# Altium PCB ADAPTONE_PCB_COPY.PcbDoc (part 11 of 11)
Units mil, origin at the board's own origin, x right, y up, seen from the top; angles counter-clockwise.
Board outline 10236.22 x 6701.71 mil, 4 copper layers (Top Layer, GND, Internal Plane 2, Bottom Layer), stack 30.2 mil thick; 1794 components, 935 nets, 4745 pads, 575 vias.
Unrouted connection lines stored in the file: 997.
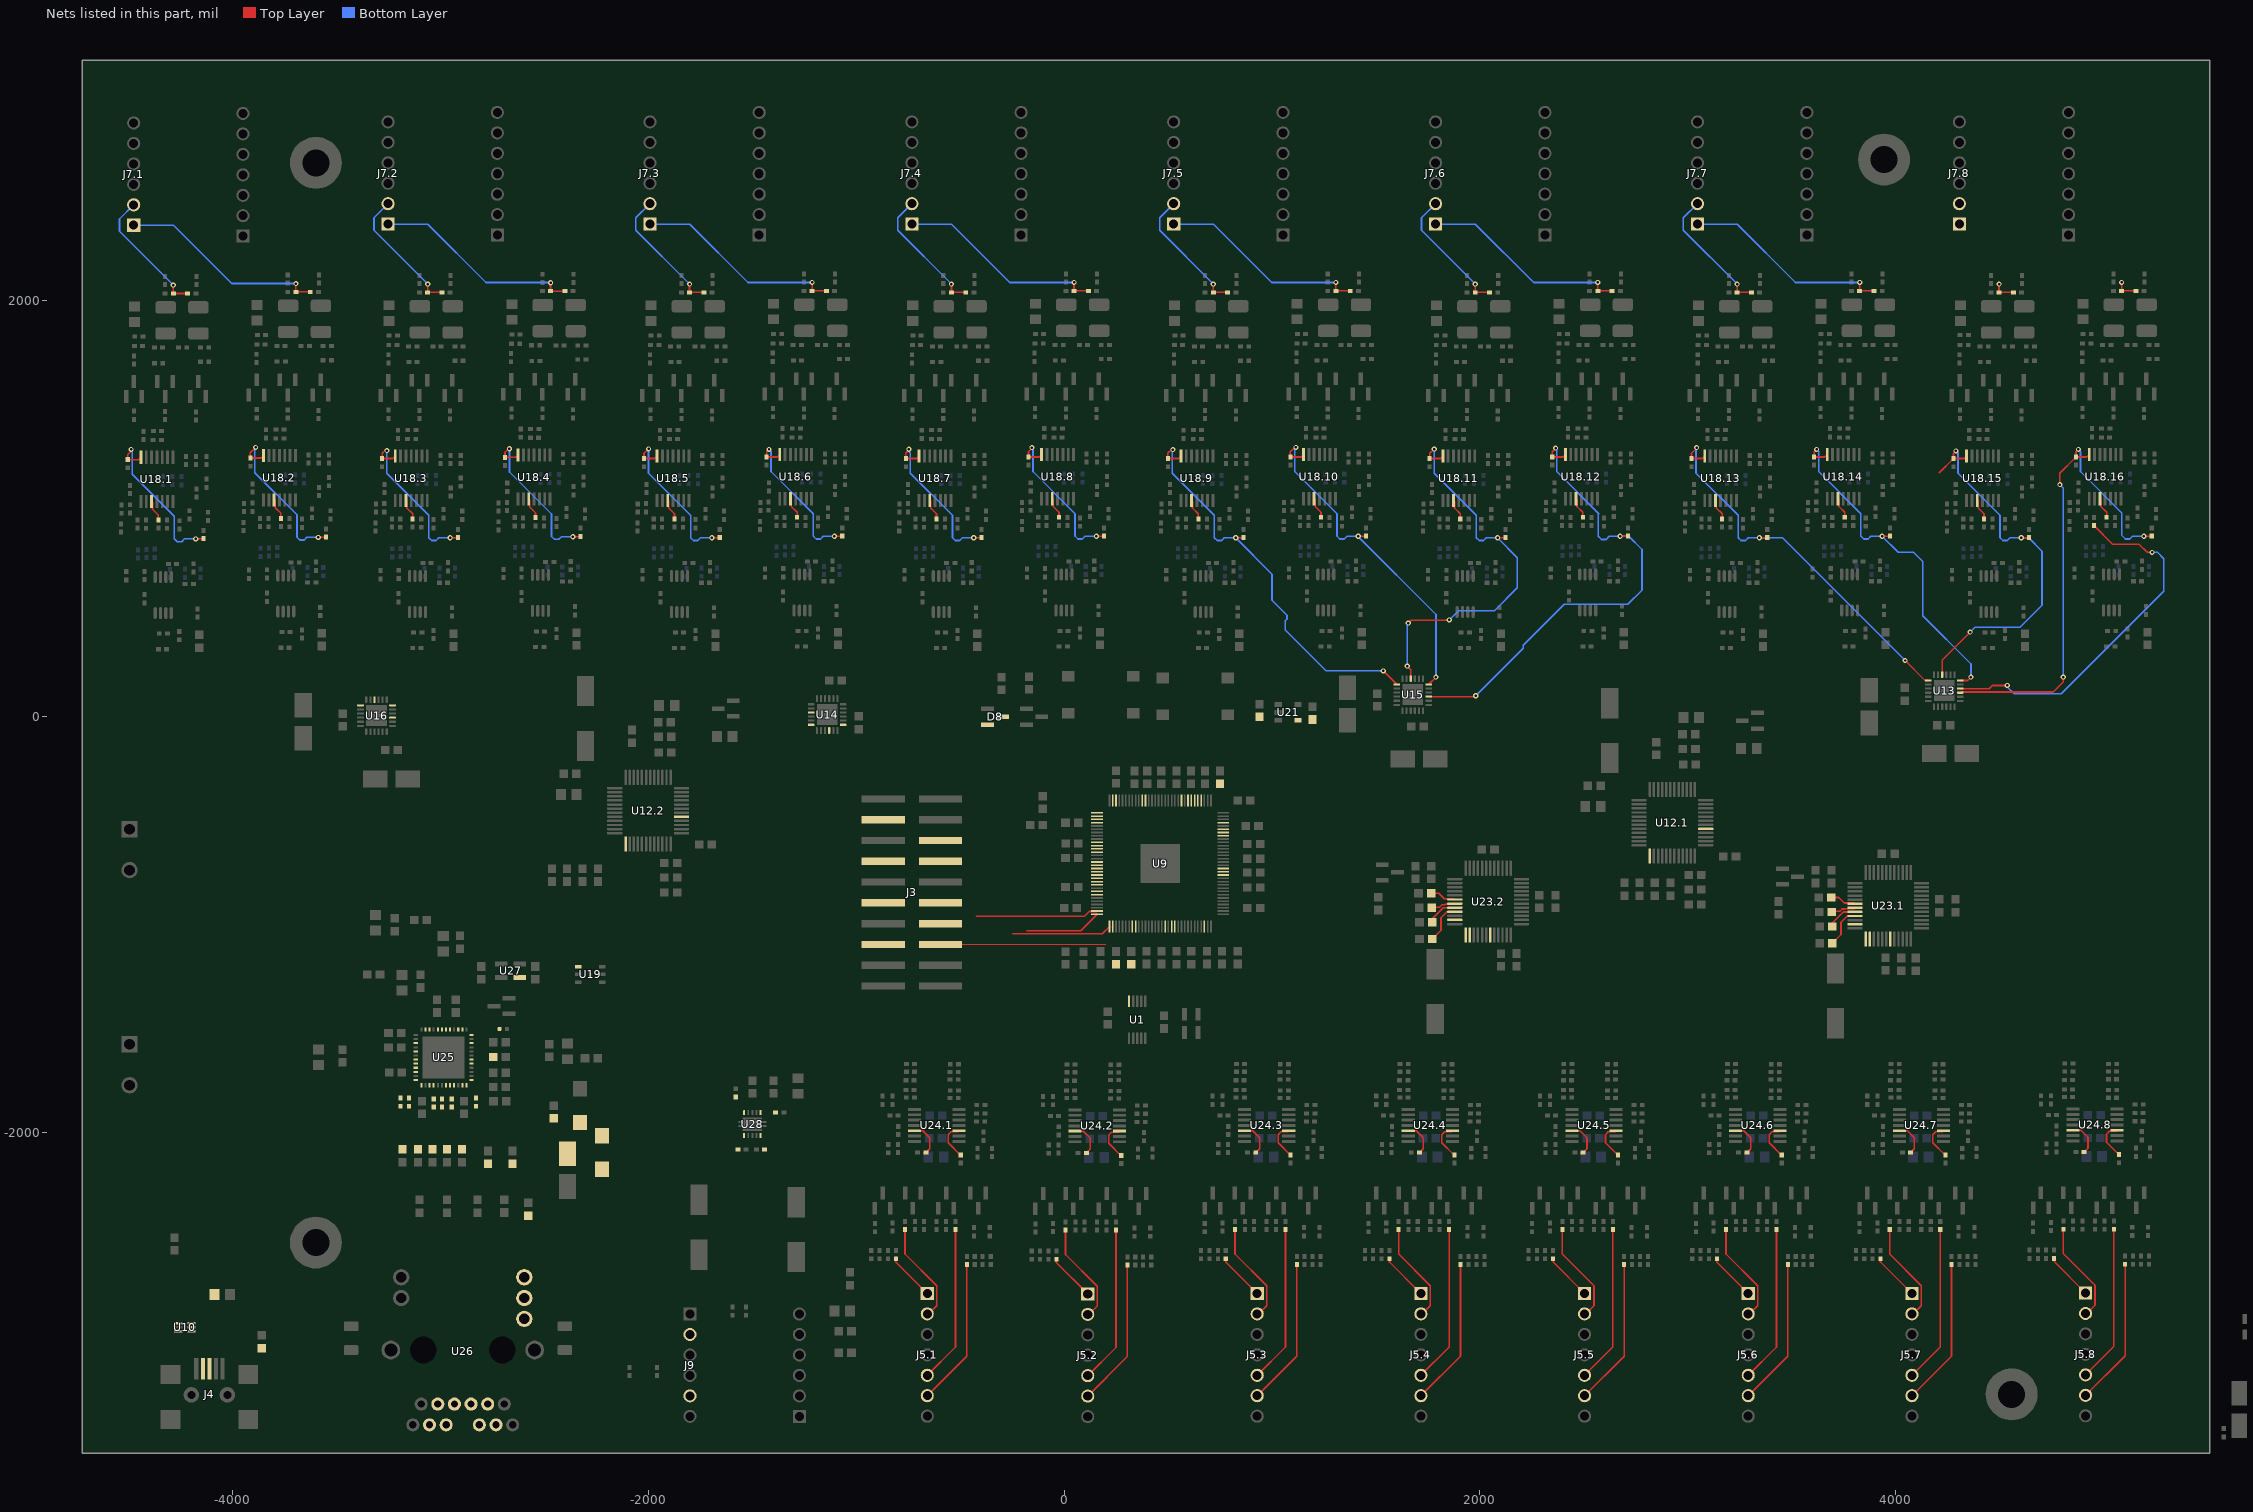
[diagram p13: the nets of this part, all layers, seen from the top]

## Via types
v1: diameter 25, hole 12, Top Layer to Bottom Layer, 566 vias
v2: diameter 19.68, hole 7.87, Top Layer to Bottom Layer, 9 vias

## Nets (pads, with @x,y where several pads share a name; then routed paths per layer and width w, separated by ;. In a path a pad name is that pad's centre, name@x,y a point inside that pad or via, vN(x,y) a via of type N, cw(c..) or ccw(c..) an arc to the next point about the centre after c; other vN are vias at no path point) (continued)
NetR61.16_2: R61.16.2 U13.4 | length 1769.1
  Top Layer w8: U13.4@4310.76,134.81 4450,134.81 4465.19,150 v1(4537.08,150) ; R61.16.2@4954.75,918.65 5043.4,830 5171,830 5211,790 v1(5233.75,790)
  Bottom Layer w8: v1(4537.08,150) 4537.08,142.92 4570,110 4730.3,110 4731.3,111 4754,111 4755,110 4796.8,110 5290,603.2 5290,760 5260,790 v1(5233.75,790)
NetR62.1_2: R62.1.2 U18.1.10 | length 102.5
  Top Layer w8: U18.1.10@-4390.14,1035.36 -4385.44,1030.66 -4385.44,998.06 -4357.55,970.17 R62.1.2@-4357.55,946.4
NetR62.2_2: R62.2.2 U18.2.10 | length 102.5
  Top Layer w8: U18.2.10@-3800.47,1042.83 -3795.77,1038.13 -3795.77,1005.54 -3767.88,977.65 R62.2.2@-3767.88,953.88
NetR62.3_2: R62.3.2 U18.3.10 | length 102.5
  Top Layer w8: U18.3.10@-3166.56,1040.49 -3161.86,1035.79 -3161.86,1003.2 -3133.97,975.31 R62.3.2@-3133.97,951.54
NetR62.4_2: R62.4.2 U18.4.10 | length 102.5
  Top Layer w8: U18.4.10@-2575.53,1046.08 -2570.83,1041.38 -2570.83,1008.79 -2542.94,980.9 R62.4.2@-2542.94,957.13
NetR62.5_2: R62.5.2 U18.5.10 | length 102.5
  Top Layer w8: U18.5.10@-1906.72,1040.49 -1902.02,1035.79 -1902.02,1003.2 -1874.13,975.31 R62.5.2@-1874.13,951.54
NetR62.6_2: R62.6.2 U18.6.10 | length 102.5
  Top Layer w8: U18.6.10@-1317.05,1047.97 -1312.35,1043.27 -1312.35,1010.68 -1284.46,982.79 R62.6.2@-1284.46,959.02
NetR62.7_2: R62.7.2 U18.7.10 | length 102.5
  Top Layer w8: U18.7.10@-646.88,1040.49 -642.18,1035.79 -642.18,1003.2 -614.29,975.31 R62.7.2@-614.29,951.54
NetR62.8_2: R62.8.2 U18.8.10 | length 102.5
  Top Layer w8: U18.8.10@-57.21,1047.97 -52.51,1043.27 -52.51,1010.68 -24.62,982.79 R62.8.2@-24.62,959.02
NetR62.9_2: R62.9.2 U18.9.10 | length 102.5
  Top Layer w8: U18.9.10@612.96,1040.49 617.67,1035.79 617.67,1003.2 645.56,975.31 R62.9.2@645.56,951.54
NetR62.10_2: R62.10.2 U18.10.10 | length 102.5
  Top Layer w8: U18.10.10@1202.64,1047.97 1207.34,1043.27 1207.34,1010.68 1235.23,982.79 R62.10.2@1235.23,959.02
NetR62.11_2: R62.11.2 U18.11.10 | length 102.5
  Top Layer w8: U18.11.10@1872.81,1040.49 1877.51,1035.79 1877.51,1003.2 1905.4,975.31 R62.11.2@1905.4,951.54
NetR62.12_2: R62.12.2 U18.12.10 | length 102.5
  Top Layer w8: U18.12.10@2462.48,1047.97 2467.18,1043.27 2467.18,1010.68 2495.07,982.79 R62.12.2@2495.07,959.02
NetR62.13_2: R62.13.2 U18.13.10 | length 102.5
  Top Layer w8: U18.13.10@3132.65,1040.49 3137.35,1035.79 3137.35,1003.2 3165.24,975.31 R62.13.2@3165.24,951.54
NetR62.14_2: R62.14.2 U18.14.10 | length 102.5
  Top Layer w8: U18.14.10@3722.32,1047.97 3727.02,1043.27 3727.02,1010.68 3754.91,982.79 R62.14.2@3754.91,959.02
NetR62.15_2: R62.15.2 U18.15.10 | length 102.5
  Top Layer w8: U18.15.10@4392.49,1040.49 4397.19,1035.79 4397.19,1003.2 4425.08,975.31 R62.15.2@4425.08,951.54
NetR62.16_2: R62.16.2 U18.16.10 | length 102.5
  Top Layer w8: U18.16.10@4982.16,1047.97 4986.86,1043.27 4986.86,1010.68 5014.75,982.79 R62.16.2@5014.75,959.02
NetR66_1: R66.1 U20.7
NetR67_2: R67.2 R69.1 U19.1
NetR70_2: R70.2 R73.1 U20.5
NetR74_2: R74.2 R75.1 U21.4
NetR77.1_2: R77.1.2 U23.1.6 | length 126.2
  Top Layer w8: R77.1.2@3690.42,-870 3726.68,-870 3753.05,-896.38 3800.31,-896.38 U23.1.6@3804.09,-900.16
NetR77.2_2: R77.2.2 U23.2.6 | length 126.2
  Top Layer w8: R77.2.2@1765.63,-849.54 1801.88,-849.54 1828.26,-875.91 1875.52,-875.91 U23.2.6@1879.3,-879.69
NetR78.1_2: R78.1.2 U23.1.7 | length 118.9
  Top Layer w8: R78.1.2@3693.31,-939.53 3695.94,-936.89 3730.73,-936.89 3742.1,-925.53 3755.77,-925.53 3757.68,-923.62 3800.31,-923.62 U23.1.7@3804.09,-919.84
NetR78.2_2: R78.2.2 U23.2.7 | length 118.9
  Top Layer w8: R78.2.2@1768.51,-919.06 1771.14,-916.43 1805.93,-916.43 1817.3,-905.06 1830.97,-905.06 1832.88,-903.16 1875.52,-903.16 U23.2.7@1879.3,-899.38
NetR79.1_2: R79.1.2 U23.1.9 | length 197.9
  Top Layer w8: R79.1.2@3695.04,-1090 3737.26,-1047.78 3737.26,-988.55 3766.6,-959.21 U23.1.9@3804.09,-959.21
NetR79.2_2: R79.2.2 U23.2.9 | length 197.9
  Top Layer w8: R79.2.2@1770.24,-1069.54 1812.47,-1027.31 1812.47,-968.08 1841.8,-938.75 U23.2.9@1879.3,-938.75
NetR80.1_2: R80.1.2 U23.1.8 | length 148.6
  Top Layer w8: R80.1.2@3695.04,-1010 3695.04,-992.39 3747.9,-939.53 U23.1.8@3804.09,-939.53
NetR80.2_2: R80.2.2 U23.2.8 | length 148.6
  Top Layer w8: R80.2.2@1770.24,-989.54 1770.24,-971.92 1823.1,-919.06 U23.2.8@1879.3,-919.06
NetR94.1_1: R94.1.1 U24.1.5 | length 164.8
  Top Layer w8: U24.1.5@-719.31,-1992.05 -680.16,-1992.05 -647.08,-2025.13 -647.08,-2078.11 R94.1.1@-665.39,-2096.43
NetR94.2_1: R94.2.1 U24.2.5 | length 164.8
  Top Layer w8: U24.2.5@52.76,-1994.13 91.92,-1994.13 125,-2027.22 125,-2080.2 R94.2.1@106.69,-2098.51
NetR94.3_1: R94.3.1 U24.3.5 | length 164.8
  Top Layer w8: U24.3.5@867.94,-1992.05 907.09,-1992.05 940.18,-2025.13 940.18,-2078.11 R94.3.1@921.86,-2096.43
NetR94.4_1: R94.4.1 U24.4.5 | length 164.8
  Top Layer w8: U24.4.5@1655.34,-1992.05 1694.49,-1992.05 1727.58,-2025.13 1727.58,-2078.11 R94.4.1@1709.26,-2096.43
NetR94.5_1: R94.5.1 U24.5.5 | length 164.8
  Top Layer w8: U24.5.5@2442.74,-1992.05 2481.9,-1992.05 2514.98,-2025.13 2514.98,-2078.11 R94.5.1@2496.66,-2096.43
NetR94.6_1: R94.6.1 U24.6.5 | length 164.8
  Top Layer w8: U24.6.5@3230.14,-1992.05 3269.3,-1992.05 3302.38,-2025.13 3302.38,-2078.11 R94.6.1@3284.07,-2096.43
NetR94.7_1: R94.7.1 U24.7.5 | length 164.8
  Top Layer w8: U24.7.5@4017.55,-1992.05 4056.7,-1992.05 4089.78,-2025.13 4089.78,-2078.11 R94.7.1@4071.47,-2096.43
NetR94.8_1: R94.8.1 U24.8.5 | length 164.8
  Top Layer w8: U24.8.5@4852.76,-1989.97 4891.92,-1989.97 4925,-2023.05 4925,-2076.03 R94.8.1@4906.69,-2094.35
NetR108.1_1: R108.1.1 U24.1.10 | length 183.3
  Top Layer w8: U24.1.10@-506.72,-1992.05 -511.42,-1996.75 -544.01,-1996.75 -558.08,-2010.82 -558.08,-2050.05 -499.36,-2108.78 R108.1.1@-497.51,-2108.78
NetR108.2_1: R108.2.1 U24.2.10 | length 183.3
  Top Layer w8: U24.2.10@265.36,-1994.13 260.66,-1998.83 228.07,-1998.83 214,-2012.9 214,-2052.14 272.72,-2110.86 R108.2.1@274.57,-2110.86
NetR108.3_1: R108.3.1 U24.3.10 | length 183.3
  Top Layer w8: U24.3.10@1080.54,-1992.05 1075.84,-1996.75 1043.24,-1996.75 1029.18,-2010.82 1029.18,-2050.05 1087.9,-2108.78 R108.3.1@1089.74,-2108.78
NetR108.4_1: R108.4.1 U24.4.10 | length 183.3
  Top Layer w8: U24.4.10@1867.94,-1992.05 1863.24,-1996.75 1830.64,-1996.75 1816.58,-2010.82 1816.58,-2050.05 1875.3,-2108.78 R108.4.1@1877.14,-2108.78
NetR108.5_1: R108.5.1 U24.5.10 | length 183.3
  Top Layer w8: U24.5.10@2655.34,-1992.05 2650.64,-1996.75 2618.05,-1996.75 2603.98,-2010.82 2603.98,-2050.05 2662.7,-2108.78 R108.5.1@2664.54,-2108.78
NetR108.6_1: R108.6.1 U24.6.10 | length 183.3
  Top Layer w8: U24.6.10@3442.74,-1992.05 3438.04,-1996.75 3405.45,-1996.75 3391.38,-2010.82 3391.38,-2050.05 3450.1,-2108.78 R108.6.1@3451.95,-2108.78
NetR108.7_1: R108.7.1 U24.7.10 | length 183.3
  Top Layer w8: U24.7.10@4230.14,-1992.05 4225.44,-1996.75 4192.85,-1996.75 4178.78,-2010.82 4178.78,-2050.05 4237.5,-2108.78 R108.7.1@4239.35,-2108.78
NetR108.8_1: R108.8.1 U24.8.10 | length 183.3
  Top Layer w8: U24.8.10@5065.36,-1989.97 5060.66,-1994.67 5028.07,-1994.67 5014,-2008.74 5014,-2047.97 5072.72,-2106.69 R108.8.1@5074.57,-2106.69
NetR114_2: R114.2 U25.35
NetR115_2: R115.2 U25.33
NetR116_2: R116.2 U25.32
NetR117_2: R117.2 U25.31
NetR119_2: R119.2 U25.28
NetR120_2: R120.2 U25.27
NetR122_1: R122.1 U26.16
NetR125_1: R125.1 U25.17 U26.15
NetR126_1: R126.1 U25.15 U26.17
NetR127_1: R127.1 U25.41
NetR128_2: R128.2 U25.48
NetR129_1: R129.1 U28.1
NetR132_1: R132.1 U28.5
NetR138_1: R138.1 U9.70
NetR139_1: R139.1 U9.71
NetR140_1: R140.1 U9.69
NetTP3_1: TP3.1 TP3.2
NetTP4_1: TP4.1 TP4.2
NetTP6_1: TP6.1 TP6.2 U9.95 U12.1.41 U12.2.41
NetU1_5: U1.5 U9.30
NetU9_20: U9.20
NetU9_21: U9.21
NetU9_57: U9.57
NetU9_58: U9.58
NetU9_59: U9.59
NetU9_61: U9.61
NetU9_68: U9.68
NetU9_72: U9.72
NetU9_74: U9.74
NetU9_85: U9.85
NetU9_86: U9.86
NetU9_94: U9.94 U23.1.19 U23.2.19
NetU9_97: U9.97
NetU9_98: U9.98
NetU9_99: U9.99
NetU9_100: U9.100
NetU23.1_11: U23.1.11
NetU23.1_13: U23.1.13
NetU23.1_14: U23.1.14
NetU23.2_11: U23.2.11
NetU23.2_13: U23.2.13
NetU23.2_14: U23.2.14
OSC_25MHZ: U25.46 U27.3
PHANTOM1.1: J7.1.1 R39.2.2 R45.2.1 | length 1005.4
  Top Layer w8: v1(-3695.8,2083.51) R45.2.1@-3695.8,2043.35 R39.2.2@-3626.85,2043.35
  Bottom Layer w8: J7.1.1@-4476,2363.85 -4284.94,2363.85 -4004.6,2083.51 v1(-3695.8,2083.51)
PHANTOM1.2: J7.2.1 R39.4.2 R45.4.1 | length 1314.2
  Top Layer w8: v1(-2470.86,2086.76) R45.4.1@-2470.86,2046.6 R39.4.2@-2401.91,2046.6
  Bottom Layer w8: J7.2.1@-3252.42,2368.99 -3061.36,2368.99 -2781.02,2088.65 v1@-2472.22,2088.65 ; -2779.66,2086.76 v1(-2470.86,2086.76)
PHANTOM1.3: J7.3.1 R39.6.2 R45.6.1 | length 1005.4
  Top Layer w8: v1(-1212.37,2088.65) R45.6.1@-1212.38,2048.49 R39.6.2@-1143.43,2048.49
  Bottom Layer w8: J7.3.1@-1992.58,2368.99 -1801.51,2368.99 -1521.17,2088.65 v1(-1212.37,2088.65)
PHANTOM1.4: J7.4.1 R39.8.2 R45.8.1 | length 1005.4
  Top Layer w8: v1(47.47,2088.65) R45.8.1@47.47,2048.49 R39.8.2@116.41,2048.49
  Bottom Layer w8: J7.4.1@-732.73,2368.99 -541.67,2368.99 -261.33,2088.65 v1(47.47,2088.65)
PHANTOM1.5: J7.5.1 R39.10.2 R45.10.1 | length 1005.4
  Top Layer w8: v1(1307.31,2088.65) R45.10.1@1307.31,2048.49 R39.10.2@1376.25,2048.49
  Bottom Layer w8: J7.5.1@527.11,2368.99 718.17,2368.99 998.51,2088.65 v1(1307.31,2088.65)
PHANTOM1.6: J7.6.1 R39.12.2 R45.12.1 | length 1005.4
  Top Layer w8: v1(2567.15,2088.65) 2567.15,2048.49 R39.12.2@2636.1,2048.49
  Bottom Layer w8: J7.6.1@1786.95,2368.99 1978.01,2368.99 2258.35,2088.65 v1(2567.15,2088.65)
PHANTOM1.7: J7.7.1 R39.14.2 R45.14.1 | length 1005.4
  Top Layer w8: v1(3827,2088.65) R45.14.1@3826.99,2048.49 R39.14.2@3895.94,2048.49
  Bottom Layer w8: J7.7.1@3046.79,2368.99 3237.86,2368.99 3518.2,2088.65 v1(3827,2088.65)
PHANTOM1.8: J7.8.1 R39.16.2 R45.16.1 | length 109.1
  Top Layer w8: v1(5086.84,2088.65) R45.16.1@5086.84,2048.49 R39.16.2@5155.78,2048.49
PHANTOM2.1: J7.1.2 R39.1.2 R45.1.1 | length 630.6
  Top Layer w8: v1(-4285.47,2076.03) R45.1.1@-4285.47,2035.87 R39.1.2@-4216.53,2035.87
  Bottom Layer w8: J7.1.2@-4476,2462.27 -4544,2394.27 -4544,2334.56 v1(-4285.47,2076.03)
PHANTOM2.2: J7.2.2 R39.3.2 R45.3.1 | length 630.6
  Top Layer w8: v1(-3061.89,2081.17) R45.3.1@-3061.89,2041.01 R39.3.2@-2992.94,2041.01
  Bottom Layer w8: J7.2.2@-3252.42,2467.41 -3320.42,2399.41 -3320.42,2339.7 v1(-3061.89,2081.17)
PHANTOM2.3: J7.3.2 R39.5.2 R45.5.1 | length 630.6
  Top Layer w8: v1(-1802.05,2081.17) R45.5.1@-1802.05,2041.01 R39.5.2@-1733.1,2041.01
  Bottom Layer w8: J7.3.2@-1992.58,2467.41 -2060.58,2399.41 -2060.58,2339.7 v1(-1802.05,2081.17)
PHANTOM2.4: J7.4.2 R39.7.2 R45.7.1 | length 630.6
  Top Layer w8: v1(-542.2,2081.17) R45.7.1@-542.2,2041.01 R39.7.2@-473.26,2041.01
  Bottom Layer w8: J7.4.2@-732.73,2467.41 -800.73,2399.41 -800.73,2339.7 v1(-542.2,2081.17)
PHANTOM2.5: J7.5.2 R39.9.2 R45.9.1 | length 630.6
  Top Layer w8: v1(717.64,2081.17) R45.9.1@717.64,2041.01 R39.9.2@786.58,2041.01
  Bottom Layer w8: J7.5.2@527.11,2467.41 459.11,2399.41 459.11,2339.7 v1(717.64,2081.17)
PHANTOM2.6: J7.6.2 R39.11.2 R45.11.1 | length 630.6
  Top Layer w8: v1(1977.48,2081.17) R45.11.1@1977.48,2041.01 R39.11.2@2046.43,2041.01
  Bottom Layer w8: J7.6.2@1786.95,2467.41 1718.95,2399.41 1718.95,2339.7 v1(1977.48,2081.17)
PHANTOM2.7: J7.7.2 R39.13.2 R45.13.1 | length 630.6
  Top Layer w8: v1(3237.32,2081.17) R45.13.1@3237.32,2041.01 R39.13.2@3306.27,2041.01
  Bottom Layer w8: J7.7.2@3046.79,2467.41 2978.79,2399.41 2978.79,2339.7 v1(3237.32,2081.17)
PHANTOM2.8: J7.8.2 R39.15.2 R45.15.1 | length 109.1
  Top Layer w8: v1(4497.17,2081.17) R45.15.1@4497.17,2041.01 R39.15.2@4566.11,2041.01
PHY_MDC: U9.122 U25.36
PHY_MDIO: U9.121 U25.37
PHY_RESET_N: D18.K U9.18
PHY_RX0: R112.2 R116.1 U9.116
PHY_RX1: R111.2 R117.1 U9.117
PHY_RX2: R110.2 R119.1 U9.118
PHY_RX3: R109.2 R120.1 U9.119
PHY_RX_CLK: R114.1 R123.1 U9.114
PHY_RX_DV: R115.1 U9.115
PHY_TX_CLK: U9.112 U25.24
PHY_TX_D0: U9.109 U25.19
PHY_TX_D1: U9.108 U25.20
PHY_TX_D3: U9.106 U25.22
PHY_TX_EN: U9.113 U25.25
PHY_TXD2: U9.107 U25.21
RESET_N: C151.+ D17.A D18.A R124.1 U25.42
SCLK: R24.1 TP8.1 TP8.2 U12.1.25 U12.2.25
TCK: J3.9 U9.128 | length 370.6
  Top Layer w8: -179.06,-1030 80.01,-1030 U9.128@158.85,-951.16
TDI: J3.5 U9.2 | length 2.6
  Top Layer w8: U9.2@231.84,-1011.96 U9.2@233.65,-1010.15
TDO: J3.13 U9.1 | length 477.8
  Top Layer w8: -245.97,-1044 183.99,-1044 U9.1@217.84,-1010.15
TMS: J3.7 U9.127 | length 591.1
  Top Layer w8: -422.05,-960 97.46,-960 120.31,-937.16 157.04,-937.16 U9.127@158.85,-935.35
TRD_1_N: U25.3 U26.10
TRD_1_P: U25.2 U26.11
TRD_2_N: U25.6 U26.5
TRD_2_P: U25.5 U26.4
TRD_3_N: U25.8 U26.2
TRD_3_P: U25.7 U26.3
TRD_4_N: U25.11 U26.9
TRD_4_P: U25.10 U26.8
USB_D_N: U9.47 U10.3
USB_D_P: U9.46 U10.1
USB_DA_N: J4.2 U10.4
USB_DA_P: J4.3 U10.6
V1.1: C80.1.2 R54.1.1 U16.13 U18.1.7 | length 791.2
  Top Layer w8: v1(-4489,1285.53) -4489,1276.91 -4504.55,1261.36 C80.1.2@-4504.55,1236.4 -4452.88,1236.4 U18.1.7@-4441.33,1247.96 ; v1(-4178,854.91) -4141.88,854.91 R54.1.1@-4140.44,856.35
  Bottom Layer w8: v1(-4489,1285.53) -4483,1279.53 -4483,1166.21 -4280.55,963.76 -4280.55,856.09 -4266.5,842.03 -4245.43,842.03 -4232.55,854.91 v1(-4178,854.91)
V1.2: C80.2.2 R54.2.1 U16.6 U18.2.7 | length 798
  Top Layer w8: v1(-3890,1295) -3890,1293.72 -3914.88,1268.83 C80.2.2@-3914.88,1243.88 -3863.2,1243.88 U18.2.7@-3851.65,1255.43 ; v1(-3588.33,862.39) -3552.21,862.39 R54.2.1@-3550.77,863.83
  Bottom Layer w8: v1(-3890,1295) -3893.33,1291.67 -3893.33,1173.69 -3690.88,971.24 -3690.88,863.57 -3676.82,849.51 -3655.76,849.51 -3642.88,862.39 v1(-3588.33,862.39)
V1.3: C80.3.2 R54.3.1 U16.10 U18.3.7 | length 776.6
  Top Layer w8: v1(-3258,1280) -3267.47,1280 -3280.97,1266.5 C80.3.2@-3280.97,1241.54 -3229.3,1241.54 U18.3.7@-3217.74,1253.09 ; v1(-2954.42,860.05) -2918.3,860.05 R54.3.1@-2916.86,861.49
  Bottom Layer w8: v1(-3258,1280) -3259.42,1278.58 -3259.42,1171.35 -3056.97,968.9 -3056.97,861.23 -3042.91,847.17 -3021.85,847.17 -3008.97,860.05 v1(-2954.42,860.05)
V1.4: C80.4.2 R54.4.1 U16.3 U18.4.7 | length 778.9
  Top Layer w8: v1(-2668.39,1288.61) -2673.41,1288.61 -2689.94,1272.09 C80.4.2@-2689.94,1247.13 -2638.26,1247.13 U18.4.7@-2626.71,1258.68 ; v1(-2363.39,865.64) -2327.27,865.64 R54.4.1@-2325.83,867.08
  Bottom Layer w8: v1(-2668.39,1288.61) -2668.39,1176.94 -2465.94,974.49 -2465.94,866.82 -2451.88,852.76 -2430.82,852.76 -2417.94,865.64 v1(-2363.39,865.64)
V1.5: C80.5.2 R54.5.1 U14.13 U18.5.7 | length 786.7
  Top Layer w8: v1(-1999,1288) -1999.63,1288 -2021.13,1266.5 C80.5.2@-2021.13,1241.54 -1969.45,1241.54 U18.5.7@-1957.9,1253.09 ; v1(-1694.58,860.05) -1658.46,860.05 R54.5.1@-1657.02,861.49
  Bottom Layer w8: v1(-1999,1288) -1999.58,1287.42 -1999.58,1171.35 -1797.13,968.9 -1797.13,861.23 -1783.07,847.17 -1762.01,847.17 -1749.13,860.05 v1(-1694.58,860.05)
V1.6: C80.6.2 R54.6.1 U14.6 U18.6.7 | length 766
  Top Layer w8: v1(-1419.9,1285.53) -1431.46,1273.97 C80.6.2@-1431.46,1249.02 -1379.78,1249.02 U18.6.7@-1368.23,1260.57 ; v1(-1104.9,867.53) -1068.78,867.53 R54.6.1@-1067.35,868.96
  Bottom Layer w8: v1(-1419.9,1285.53) -1409.9,1275.53 -1409.9,1178.82 -1207.46,976.38 -1207.46,868.71 -1193.4,854.65 -1172.34,854.65 -1159.46,867.53 v1(-1104.9,867.53)
V1.7: C80.7.2 R54.7.1 U14.10 U18.7.7 | length 781.9
  Top Layer w8: v1(-747,1286) -747,1280.78 -761.29,1266.5 C80.7.2@-761.29,1241.54 -709.61,1241.54 U18.7.7@-698.06,1253.09 ; v1(-434.73,860.05) -398.61,860.05 R54.7.1@-397.18,861.49
  Bottom Layer w8: v1(-747,1286) -747,1275.32 -739.73,1268.05 -739.73,1171.35 -537.29,968.9 -537.29,861.23 -523.23,847.17 -502.17,847.17 -489.29,860.05 v1(-434.73,860.05)
V1.8: C80.8.2 R54.8.1 U14.3 U18.8.7 | length 782.9
  Top Layer w8: v1(-155,1294) -155,1290.59 -171.62,1273.97 C80.8.2@-171.62,1249.02 -119.94,1249.02 U18.8.7@-108.39,1260.57 ; v1(154.94,867.53) 191.06,867.53 R54.8.1@192.5,868.96
  Bottom Layer w8: v1(-155,1294) -150.06,1289.06 -150.06,1178.82 52.38,976.38 52.38,868.71 66.44,854.65 87.51,854.65 100.38,867.53 v1(154.94,867.53)
V1.9: C80.9.2 R54.9.1 U15.13 U18.9.7 | length 1979.9
  Top Layer w8: v1(523,1285) 517.06,1285 498.56,1266.5 C80.9.2@498.56,1241.54 550.23,1241.54 U18.9.7@561.78,1253.09 ; v1(825.11,860.05) 861.23,860.05 R54.9.1@862.67,861.49 ; v1(1535.24,220) U15.13@1600.03,155.21
  Bottom Layer w8: v1(523,1285) 520.11,1282.11 520.11,1171.35 722.56,968.9 722.56,861.23 736.61,847.17 757.68,847.17 770.56,860.05 v1(825.11,860.05) 999.69,685.47 999.69,560.26 1071.68,488.27 1071.68,469.63 1063.18,461.13 1063.18,416.82 1260,220 v1(1535.24,220)
V1.10: C80.10.2 R54.10.1 U15.6 U18.10.7 | length 1674.3
  Top Layer w8: v1(1115,1295) 1109.26,1295 1088.23,1273.97 C80.10.2@1088.23,1249.02 1139.9,1249.02 U18.10.7@1151.46,1260.57 ; v1(1414.78,867.53) 1450.9,867.53 R54.10.1@1452.34,868.96 ; U15.6@1753.97,155.21 v1(1788.76,190)
  Bottom Layer w8: v1(1115,1295) 1109.78,1289.78 1109.78,1178.82 1312.23,976.38 1312.23,868.71 1326.29,854.65 1347.35,854.65 1360.23,867.53 v1(1414.78,867.53) 1414.78,865.42 1788.76,491.45 v1(1788.76,190)
V1.11: C80.11.2 R54.11.1 U15.10 U18.11.7 | length 1938.5
  Top Layer w8: v1(1650,242.91) 1667.16,225.75 U15.10@1667.16,182.97 ; v1(1655.26,450) 1669.26,464 1851.55,464 v1(1852.5,464.95) ; v1(1779.95,1287.05) 1778.95,1287.05 1758.4,1266.5 C80.11.2@1758.4,1241.54 1810.07,1241.54 U18.11.7@1821.63,1253.09 ; v1(2084.95,860.05) 2121.07,860.05 R54.11.1@2122.51,861.49
  Bottom Layer w8: v1(1650,242.91) 1650,450 v1(1655.26,450) ; v1(1779.95,1287.05) 1779.95,1171.35 1982.4,968.9 1982.4,861.23 1996.46,847.17 2017.52,847.17 2030.4,860.05 v1(2084.95,860.05) 2180,765 2180,620 2070,510 1897.55,510 v1(1852.5,464.95)
V1.12: C80.12.2 R54.12.1 U15.3 U18.12.7 | length 2359.2
  Top Layer w8: U15.3@1753.97,96.16 1976.22,96.16 v1(1980.07,100) ; v1(2364,1292) 2364,1289.9 2348.07,1273.97 C80.12.2@2348.07,1249.02 2399.75,1249.02 U18.12.7@2411.3,1260.57 ; v1(2674.62,867.53) 2710.74,867.53 R54.12.1@2712.18,868.96
  Bottom Layer w8: v1(1980.07,100) 2208.5,328.43 2208.5,343.12 2405.38,540 2547.11,540 2547.28,539.83 2711.28,539.83 2780,608.55 2780,803.75 2716.23,867.53 v1(2674.62,867.53) 2622.42,867.53 2607.05,852.15 2585.09,852.15 2569.57,867.67 2569.57,973.88 2572.07,976.38 2369.62,1178.82 2369.62,1286.38 v1(2364,1292)
V1.13: C80.13.2 R54.13.1 U13.13 U18.13.7 | length 1895.8
  Top Layer w8: v1(3042,1294) 3042,1290.26 3018.24,1266.5 C80.13.2@3018.24,1241.54 3069.92,1241.54 U18.13.7@3081.47,1253.09 ; v1(3344.79,860.05) 3380.91,860.05 R54.13.1@3382.35,861.49 ; v1(4045.5,270) 4141.32,174.18 U13.13@4156.83,174.18
  Bottom Layer w8: v1(3042,1294) 3039.79,1291.79 3039.79,1171.35 3242.24,968.9 3242.24,861.23 3256.3,847.17 3277.36,847.17 3290.24,860.05 v1(3344.79,860.05) 3455.45,860.05 v1(4045.5,270)
V1.14: C80.14.2 R54.14.1 U13.6 U18.14.7 | length 1722.2
  Top Layer w8: v1(3619.47,1285.53) 3607.91,1273.97 C80.14.2@3607.91,1249.02 3659.59,1249.02 U18.14.7@3671.14,1260.57 ; v1(3934.47,867.53) 3970.59,867.53 R54.14.1@3972.02,868.96 ; U13.6@4310.76,174.18 4346.38,174.18 v1(4362.2,190)
  Bottom Layer w8: v1(3619.47,1285.53) 3629.47,1275.53 3629.47,1178.82 3831.91,976.38 3831.91,868.71 3845.97,854.65 3867.03,854.65 3879.91,867.53 v1(3934.47,867.53) 4011.99,790 4086.23,790 4129.84,746.39 4129.84,485.25 4362.2,252.88 v1(4362.2,190)
V1.15: C80.15.2 R54.15.1 U13.10 U18.15.7 | length 1908.1
  Top Layer w8: 4210,1173.46 C80.15.2@4278.08,1241.54 ; U13.10@4223.95,201.94 4223.95,272.65 v1(4357.8,406.49) ; v1(4289.64,1278.05) 4278.08,1266.5 C80.15.2@4278.08,1241.54 ; U18.15.7@4341.31,1253.09 4329.76,1241.54 C80.15.2@4278.08,1241.54 ; v1(4604.64,860.05) 4640.76,860.05 R54.15.1@4642.19,861.49
  Bottom Layer w8: v1(4289.64,1278.05) 4299.64,1268.05 4299.64,1171.35 4502.08,968.9 4502.08,861.23 4516.14,847.17 4537.21,847.17 4550.08,860.05 v1(4604.64,860.05) 4639.95,860.05 4704,796 4704,535.89 4598.11,430 4381.31,430 v1(4357.8,406.49)
V1.16: C80.16.2 R54.16.1 U13.3 U18.16.7 | length 2404.6
  Top Layer w8: U13.3@4310.76,115.13 4314.33,118.69 4758.69,118.69 4806.6,166.6 v1(4806.6,190) ; v1(4790,1116.45) 4790,1171.26 C80.16.2@4867.75,1249.02 ; v1(4879.31,1285.53) 4867.75,1273.97 C80.16.2@4867.75,1249.02 ; U18.16.7@4930.98,1260.57 4919.43,1249.02 C80.16.2@4867.75,1249.02 ; v1(5194.31,867.53) 5230.43,867.53 R54.16.1@5231.87,868.96
  Bottom Layer w8: v1(4790,1116.45) 4806.6,1099.85 v1(4806.6,190) ; v1(4879.31,1285.53) 4889.31,1275.53 4889.31,1178.82 5086.84,981.29 5086.84,873.62 5105.81,854.65 5126.88,854.65 5139.75,867.53 v1(5194.31,867.53)
VUSB: C29.1 L3.1 U9.45 U10.5
W1: C182.1 J9.2 U28.10
W2: C184.1 J9.5 U28.6
XL_DN0: J3.14 U9.9
XL_DN1: J3.18 U9.8 | length 724.7
  Top Layer w0: -524.2,-1094 200.48,-1094
XL_UP0: J3.10 R25.1
XL_UP1: J3.6 R26.1
XLRA1.1: J5.1.1 R85.1.1 | length 229.2
  Top Layer w8: R85.1.1@-809.76,-2608.15 -809.76,-2623.59 J5.1.1@-658.59,-2774.76
XLRA1.2: J5.2.1 R85.2.1 | length 229.2
  Top Layer w8: R85.2.1@-37.69,-2610.23 -37.69,-2625.67 J5.2.1@113.49,-2776.84
XLRA1.3: J5.3.1 R85.3.1 | length 229.2
  Top Layer w8: R85.3.1@777.49,-2608.15 777.49,-2623.59 J5.3.1@928.66,-2774.76
XLRA1.4: J5.4.1 R85.4.1 | length 229.2
  Top Layer w8: R85.4.1@1564.89,-2608.15 1564.89,-2623.59 J5.4.1@1716.06,-2774.76
XLRA1.5: J5.5.1 R85.5.1 | length 229.2
  Top Layer w8: R85.5.1@2352.29,-2608.15 2352.29,-2623.59 J5.5.1@2503.46,-2774.76
XLRA1.6: J5.6.1 R85.6.1 | length 229.2
  Top Layer w8: R85.6.1@3139.7,-2608.15 3139.7,-2623.59 J5.6.1@3290.87,-2774.76
XLRA1.7: J5.7.1 R85.7.1 | length 229.2
  Top Layer w8: R85.7.1@3927.1,-2608.15 3927.1,-2623.59 J5.7.1@4078.27,-2774.76
XLRA1.8: J5.8.1 R85.8.1 | length 229.2
  Top Layer w8: R85.8.1@4762.31,-2606.06 4762.31,-2621.51 J5.8.1@4913.49,-2772.68
XLRA2.1: J5.1.2 R92.1.1 | length 490.4
  Top Layer w8: R92.1.1@-765.48,-2468.15 -765.48,-2585.08 -613.1,-2737.46 -613.1,-2833.55 -652.73,-2873.18 J5.1.2@-658.59,-2873.18
XLRA2.2: J5.2.2 R92.2.1 | length 490.4
  Top Layer w8: R92.2.1@6.6,-2470.23 6.6,-2587.16 158.98,-2739.55 158.98,-2835.63 119.34,-2875.27 J5.2.2@113.49,-2875.27
XLRA2.3: J5.3.2 R92.3.1 | length 490.4
  Top Layer w8: R92.3.1@821.77,-2468.15 821.77,-2585.08 974.16,-2737.46 974.16,-2833.55 934.52,-2873.18 J5.3.2@928.66,-2873.18
XLRA2.4: J5.4.2 R92.4.1 | length 490.4
  Top Layer w8: R92.4.1@1609.18,-2468.15 1609.18,-2585.08 1761.56,-2737.46 1761.56,-2833.55 1721.92,-2873.18 J5.4.2@1716.06,-2873.18
XLRA2.5: J5.5.2 R92.5.1 | length 490.4
  Top Layer w8: R92.5.1@2396.58,-2468.15 2396.58,-2585.08 2548.96,-2737.46 2548.96,-2833.55 2509.32,-2873.18 J5.5.2@2503.46,-2873.18
XLRA2.6: J5.6.2 R92.6.1 | length 490.4
  Top Layer w8: R92.6.1@3183.98,-2468.15 3183.98,-2585.08 3336.36,-2737.46 3336.36,-2833.55 3296.72,-2873.18 J5.6.2@3290.87,-2873.18
XLRA2.7: J5.7.2 R92.7.1 | length 490.4
  Top Layer w8: R92.7.1@3971.38,-2468.15 3971.38,-2585.08 4123.76,-2737.46 4123.76,-2833.55 4084.13,-2873.18 J5.7.2@4078.27,-2873.18
XLRA2.8: J5.8.2 R92.8.1 | length 490.4
  Top Layer w8: R92.8.1@4806.6,-2466.06 4806.6,-2583 4958.98,-2735.38 4958.98,-2831.46 4919.34,-2871.1 J5.8.2@4913.49,-2871.1
XLRB1.1: J5.1.6 R99.1.1 | length 709.2
  Top Layer w8: J5.1.6@-658.59,-3266.89 -468.08,-3076.37 R99.1.1@-468.08,-2636.55
XLRB1.2: J5.2.6 R99.2.1 | length 709.2
  Top Layer w8: J5.2.6@113.49,-3268.97 304,-3078.45 R99.2.1@304,-2638.64
XLRB1.3: J5.3.6 R99.3.1 | length 709.2
  Top Layer w8: J5.3.6@928.66,-3266.89 1119.18,-3076.37 R99.3.1@1119.18,-2636.55
XLRB1.4: J5.4.6 R99.4.1 | length 709.2
  Top Layer w8: J5.4.6@1716.06,-3266.89 1906.58,-3076.37 R99.4.1@1906.58,-2636.55
XLRB1.5: J5.5.6 R99.5.1 | length 709.2
  Top Layer w8: J5.5.6@2503.46,-3266.89 2693.98,-3076.37 R99.5.1@2693.98,-2636.55
XLRB1.6: J5.6.6 R99.6.1 | length 709.2
  Top Layer w8: J5.6.6@3290.87,-3266.89 3481.38,-3076.37 R99.6.1@3481.38,-2636.55
XLRB1.7: J5.7.6 R99.7.1 | length 709.2
  Top Layer w8: J5.7.6@4078.27,-3266.89 4268.78,-3076.37 R99.7.1@4268.78,-2636.55
XLRB1.8: J5.8.6 R99.8.1 | length 709.2
  Top Layer w8: J5.8.6@4913.49,-3264.8 5104,-3074.29 R99.8.1@5104,-2634.47
XLRB2.1: J5.1.5 R106.1.1 | length 756.7
  Top Layer w8: J5.1.5@-658.59,-3168.46 -522.5,-3032.37 R106.1.1@-522.5,-2468.15
XLRB2.2: J5.2.5 R106.2.1 | length 756.7
  Top Layer w8: J5.2.5@113.49,-3170.54 249.58,-3034.45 R106.2.1@249.58,-2470.23
XLRB2.3: J5.3.5 R106.3.1 | length 756.7
  Top Layer w8: J5.3.5@928.66,-3168.46 1064.75,-3032.37 R106.3.1@1064.75,-2468.15
XLRB2.4: J5.4.5 R106.4.1 | length 756.7
  Top Layer w8: J5.4.5@1716.06,-3168.46 1852.16,-3032.37 R106.4.1@1852.16,-2468.15
XLRB2.5: J5.5.5 R106.5.1 | length 756.7
  Top Layer w8: J5.5.5@2503.46,-3168.46 2639.56,-3032.37 R106.5.1@2639.56,-2468.15
XLRB2.6: J5.6.5 R106.6.1 | length 756.7
  Top Layer w8: J5.6.5@3290.87,-3168.46 3426.96,-3032.37 R106.6.1@3426.96,-2468.15
XLRB2.7: J5.7.5 R106.7.1 | length 756.7
  Top Layer w8: J5.7.5@4078.27,-3168.46 4214.36,-3032.37 R106.7.1@4214.36,-2468.15
XLRB2.8: J5.8.5 R106.8.1 | length 756.7
  Top Layer w8: J5.8.5@4913.49,-3166.38 5049.58,-3030.29 R106.8.1@5049.58,-2466.06
XSYS_RST_N: D8.2 D8.3 J3.15
pads on no net: FID1.0 FID2.0 FID3.0 FID4.0 FID5.0 FID6.0 J3.1 J3.2 J3.3 J3.11 J3.17 J3.19 J4. SW1.3 SW1.4 SW2.3 SW2.4 U1.4 U1.6 U9.22 U9.23 U9.25 U9.26 U9.31 U9.33 U9.34 U9.35 U9.39 U9.40 U9.50 U9.51 U9.53 U9.54 U9.55 U9.65 U9.75 U9.76 U9.77 U9.79 U9.82 U9.84 U13.25 U14.25 U15.25 U16.25 U23.1.22 U23.1.23 U23.1.26 U23.1.27 U23.1.30 U23.1.33 U23.1.36 U23.1.37 U23.1.40 U23.1.41 U23.2.22 U23.2.23 U23.2.26 U23.2.27 U23.2.30 U23.2.33 U23.2.36 U23.2.37 U23.2.40 U23.2.41 U25.45 U26. U26.13 U26.14
copper on no net: | length 8.8
  Top Layer w8: 6427.24,335.34 6427.81,334.77
  Bottom Layer w6: v1(-2215.42,-328) v1@-2215.42,-320
  other v1: -2228.15,-363

## Polygon pours and split planes (outlines as drawn)
GND on GND (split plane): 5491.71,386.75 5491.71,-3523.21 -4704.31,-3523.21 -4704.31,386.75 -4704.31,3138.3 5491.71,3138.3
no net on Internal Plane 2 (split plane): 5491.71,1446.7 -2796.92,1446.7 -2796.92,2480.69 -2761.65,2515.96 5491.71,2515.96
no net on Internal Plane 2 (split plane): 5491.71,2546.1 -2767.9,2546.1 -2770.84,2545.81 -2773.67,2544.96 -2776.27,2543.56 -2778.56,2541.69 -2822.65,2497.59 -2824.53,2495.31 -2825.92,2492.7 -2826.78,2489.87 -2827.07,2486.93 -2827.07,1444.92 -2826.78,1441.98 -2825.92,1439.15 -2824.88,1437.21 -2825.68,1434.57 -2825.97,1431.63 -2825.68,1428.69 -2824.82,1425.86 -2823.43,1423.26 -2821.56,1420.97 -2819.27,1419.1 -2816.67,1417.7 -2813.84,1416.85 -2810.9,1416.56 5491.71,1416.56 5491.71,386.75 5491.71,-3523.21 -4704.31,-3523.21 -4704.31,386.75 -4704.31,3138.3 5491.71,3138.3

## Other copper
Internal Plane 2 (plane layer: these items are gaps in the copper):
  lines w30: -3294.79,-1252.97 -3291.18,-1256.58 ; -2969.9,1190.03 -2969.9,2760.03 ; -2812,1444.92 -2812,2486.93 -2767.9,2531.03 6377.1,2531.03 ; -2810.9,1431.63 6382.1,1431.63 ; 2041.9,-336.83 2805.5,-1100.43 ; 2429.5,-1442.43 2509.5,-1522.43

## Text inside footprints (layer, text, board x,y; h text height)
D2: Top Overlay "K" at 661.04,-6853.36 h40 r90
D3: Top Overlay "K" at 831.04,-6853.36 h40 r90
D19: Top Overlay "K" at 7942.79,-1750.33 h40 r90
D20: Top Overlay "K" at 8162.79,-1750.33 h40 r90
D21: Top Overlay "K" at 8392.79,-1750.33 h40 r90
D22: Top Overlay "K" at 8602.79,-1750.33 h40 r90
D23: Top Overlay "K" at 8832.79,-1750.33 h40 r90
D24: Top Overlay "K" at 9062.79,-1750.33 h40 r90
J3: Top Overlay "1" at -432.73,-1345.95 h70 r90
P1: Top Overlay "1" at 5790,-660 h70